# Allegro board 20250806_UNOQ.brd (continued)
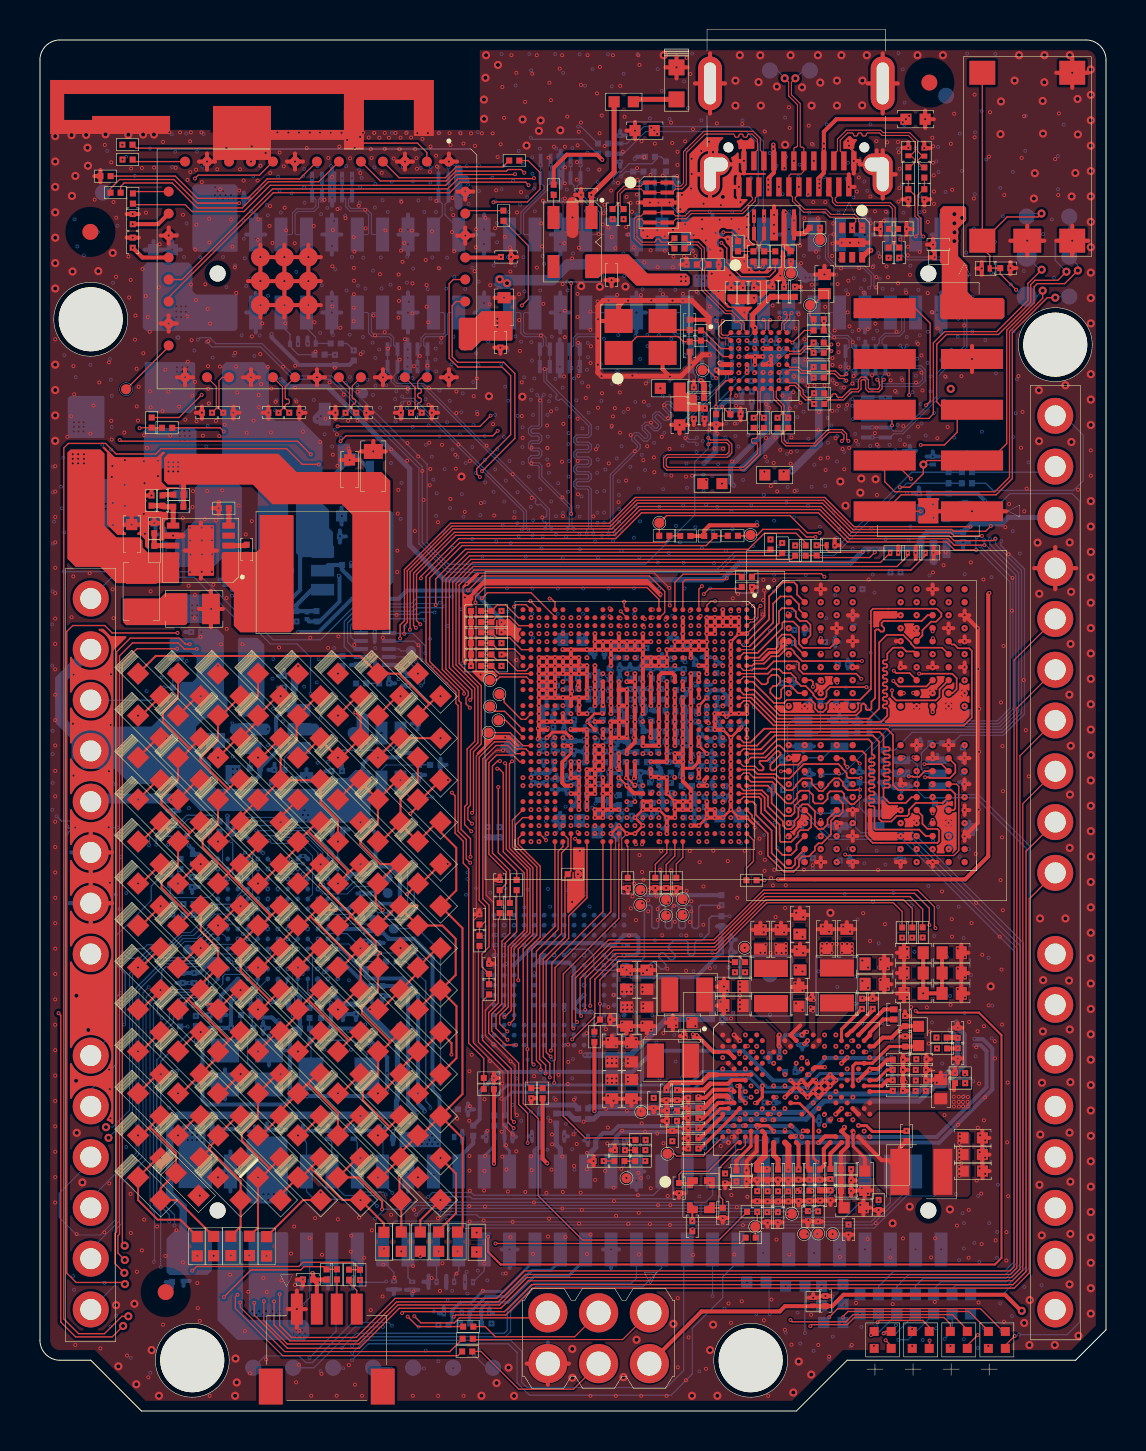
[diagram p0: board, top side]
## Nets (continued)
AUX_CTRL_1: R3001.1 R3003.1 U3001.G1
AUX_CTRL_2: R3002.1 R3004.1 U3001.H1
BAT_ID: PMIC1.N17 R605.1 TP601.1(TP)
BAT_THERM: PMIC1.U19 R606.1 TP602.1(TP)
BOOT_CAP: C609.1 PMIC1.U25
BOOT_CONFIG0: R1303.2 R1304.1 SOC1.AH9
BOOT_CONFIG1: R1305.2 R1306.1 SOC1.AJ7
BOOT_CONFIG2: R1307.2 R1308.1 SOC1.AH8
BOOT_CONFIG3: R1309.2 R1310.1 SOC1.AH6
CBLPWR_N: PMIC1.T10 R705.1
CC_OUT: PMIC1.C7 R902.1
CCI_I2C_SCL0: R2606.1 R2607.1 SOC1.AD5
CCI_I2C_SCL0_CONN: D26051.2 JMEDIA1.51 R2607.2
CCI_I2C_SCL1: R2610.1 R2611.1 SOC1.AB2
CCI_I2C_SCL1_CONN: D26049.2 JMEDIA1.24 R2611.2
CCI_I2C_SDA0: R2605.1 R2608.1 SOC1.AD4
CCI_I2C_SDA0_CONN: D26050.2 JMEDIA1.53 R2608.2
CCI_I2C_SDA1: R2609.1 R2612.1 SOC1.AC4
CCI_I2C_SDA1_CONN: D26048.2 JMEDIA1.22 R2612.2
CDC_CP_FLY_N: C501.2 PMIC1.A27 PMIC1.B26
CDC_CP_FLY_P: C501.1 PMIC1.A25
CDC_CP_VNEG: C502.1 F501.1 PMIC1.C27
CDC_PA_VNEG: C503.1 F501.2 PMIC1.F26 PMIC1.K24
CSI0_A0_CLK_M: JMEDIA1.33 SOC1.N2 U2610.4 U2610.7
CSI0_A1_LN1_P: JMEDIA1.29 SOC1.P2 U2610.2 U2610.9(OUT#9)
CSI0_A2_LN2_M: JMEDIA1.39 SOC1.R2 U2609.1 U2609.10
CSI0_B0_LN0_P: JMEDIA1.23 SOC1.N3 U2606.5 U2606.6
CSI0_B1_LN1_M: JMEDIA1.27 SOC1.P3 U2610.1 U2610.10
CSI0_B2_LN3_P: JMEDIA1.47 SOC1.R3 U2609.5 U2609.6
CSI0_C0_LN0_M: JMEDIA1.21 SOC1.N4 U2606.4 U2606.7
CSI0_C1_LN2_P: JMEDIA1.41 SOC1.R1 U2609.2 U2609.9(OUT#9)
CSI0_C2_LN3_M: JMEDIA1.45 SOC1.R4 U2609.4 U2609.7
CSI0_NC_CLK_P: JMEDIA1.35 SOC1.N1 U2610.5 U2610.6
CSI1_A0_CLK_M: JMEDIA1.42 SOC1.T2 U2607.1 U2607.6(OUT#6)
CSI1_A1_LN1_P: JMEDIA1.46 SOC1.U2 U2605.5 U2605.6
CSI1_A2_LN2_M: JMEDIA1.36 SOC1.V2 U2608.1 U2608.10
CSI1_B0_LN0_P: JMEDIA1.52 SOC1.T3 U2605.2 U2605.9(OUT#9)
CSI1_B1_LN1_M: JMEDIA1.48 SOC1.U3 U2605.4 U2605.7
CSI1_B2_LN3_P: JMEDIA1.28 SOC1.V3 U2608.5 U2608.6
CSI1_C0_LN0_M: JMEDIA1.54 SOC1.T4 U2605.1 U2605.10
CSI1_C1_LN2_P: JMEDIA1.34 SOC1.V1 U2608.2 U2608.9(OUT#9)
CSI1_C2_LN3_M: JMEDIA1.30 SOC1.V4 U2608.4 U2608.7
CSI1_NC_CLK_P: JMEDIA1.40 SOC1.T1 U2607.2 U2607.5
DC_IN: C2618.1 C2619.1 C2631.1 D2802.1 D26201.2 JANALOG1.8 JMEDIA1.57 JMEDIA1.59
DDR_RESET_N: DRAM1.T11 SOC1.D26
DRAM_ZQ0: DRAM1.A5 R2201.2
DRAM_ZQ1: DRAM1.A8 R2202.2
DSI0_REXT_PLL: R1522.1 SOC1.L30
DSI1_CLK_M_TP: SOC1.M27 TP1501.1(TP)
DSI1_CLK_P_TP: SOC1.M28 TP1502.1(TP)
EAR_M: PMIC1.E27 R2671.1
EAR_M_R: C2632.1 D26064.2 JMISC1.30 R2671.2
EAR_P: PMIC1.D26 R2670.1
EAR_P_R: C2633.1 D26063.2 JMISC1.28 R2670.2
EBI0_CA_0: DRAM1.H2 SOC1.D9
EBI0_CA_1: DRAM1.J2 SOC1.B10
EBI0_CA_2: DRAM1.H9 SOC1.A8
EBI0_CA_3: DRAM1.H10 SOC1.B8
EBI0_CA_4: DRAM1.H11 SOC1.B9
EBI0_CA_5: DRAM1.J11 SOC1.E7
EBI0_CAL: R1401.2 SOC1.F14
EBI0_CKE_0: DRAM1.J4 SOC1.E8
EBI0_CKE_1: DRAM1.J5 SOC1.E9
EBI0_CLK_M: DRAM1.J9 SOC1.E10
EBI0_CLK_P: DRAM1.J8 SOC1.D10
EBI0_CS_0: DRAM1.H4 SOC1.D7
EBI0_CS_1: DRAM1.H3 SOC1.D8
EBI0_DMI_0: DRAM1.C3 SOC1.D5
EBI0_DMI_1: DRAM1.C10 SOC1.A11
EBI0_DQ0: DRAM1.B2 SOC1.A5
EBI0_DQ1: DRAM1.C2 SOC1.B5
EBI0_DQ2: DRAM1.E2 SOC1.B6
EBI0_DQ3: DRAM1.F2 SOC1.A7
EBI0_DQ4: DRAM1.F4 SOC1.D4
EBI0_DQ5: DRAM1.E4 SOC1.B7
EBI0_DQ6: DRAM1.C4 SOC1.E5
EBI0_DQ7: DRAM1.B4 SOC1.C4
EBI0_DQ8: DRAM1.B11 SOC1.E13
EBI0_DQ9: DRAM1.C11 SOC1.D13
EBI0_DQ10: DRAM1.E11 SOC1.B13
EBI0_DQ11: DRAM1.F11 SOC1.B11
EBI0_DQ12: DRAM1.F9 SOC1.B12
EBI0_DQ13: DRAM1.E9 SOC1.A10
EBI0_DQ14: DRAM1.C9 SOC1.E11
EBI0_DQ15: DRAM1.B9 SOC1.D11
EBI0_DQS_0_M: DRAM1.E3 SOC1.D6
EBI0_DQS_0_P: DRAM1.D3 SOC1.E6
EBI0_DQS_1_M: DRAM1.E10 SOC1.E12
EBI0_DQS_1_P: DRAM1.D10 SOC1.D12
EBI1_CA_0: DRAM1.R2 SOC1.E21
EBI1_CA_1: DRAM1.P2 SOC1.B20
EBI1_CA_2: DRAM1.R9 SOC1.A22
EBI1_CA_3: DRAM1.R10 SOC1.B22
EBI1_CA_4: DRAM1.R11 SOC1.B21
EBI1_CA_5: DRAM1.P11 SOC1.D23
EBI1_CKE_0: DRAM1.P4 SOC1.D22
EBI1_CKE_1: DRAM1.P5 SOC1.D21
EBI1_CLK_M: DRAM1.P9 SOC1.D20
EBI1_CLK_P: DRAM1.P8 SOC1.E20
EBI1_CS_0: DRAM1.R4 SOC1.E23
EBI1_CS_1: DRAM1.R3 SOC1.E22
EBI1_DMI_0: DRAM1.Y3 SOC1.E25
EBI1_DMI_1: DRAM1.Y10 SOC1.A19
EBI1_DQ0: DRAM1.AA2 SOC1.A25
EBI1_DQ1: DRAM1.Y2 SOC1.B25
EBI1_DQ2: DRAM1.V2 SOC1.B24
EBI1_DQ3: DRAM1.U2 SOC1.A23
EBI1_DQ4: DRAM1.U4 SOC1.A26
EBI1_DQ5: DRAM1.V4 SOC1.B23
EBI1_DQ6: DRAM1.Y4 SOC1.D25
EBI1_DQ7: DRAM1.AA4 SOC1.B26
EBI1_DQ8: DRAM1.AA11 SOC1.D17
EBI1_DQ9: DRAM1.Y11 SOC1.E17
EBI1_DQ10: DRAM1.V11 SOC1.B17
EBI1_DQ11: DRAM1.U11 SOC1.B19
EBI1_DQ12: DRAM1.U9 SOC1.B18
EBI1_DQ13: DRAM1.V9 SOC1.A20
EBI1_DQ14: DRAM1.Y9 SOC1.D19
EBI1_DQ15: DRAM1.AA9 SOC1.E19
EBI1_DQS_0_M: DRAM1.V3 SOC1.E24
EBI1_DQS_0_P: DRAM1.W3 SOC1.D24
EBI1_DQS_1_M: DRAM1.V10 SOC1.D18
EBI1_DQS_1_P: DRAM1.W10 SOC1.E18
EMMC1_VDDI: C2101.1 C2102.1 EMMC1.C2
FAULT_N_TP: PMIC1.R11 TP704.1(TP)
FM_ANT: R2909.2 U2901.7
FORCED_USB_BOOT_N: D26005.2 JCTL1.2 R901.2 R1311.2 R1312.1 SOC1.AD27 TP2611.1(TP)
FORCED_USB_BOOT_POL_SEL: R1313.2 R1314.1 SOC1.AC27
HPH_L: C509.1 PMIC1.L27 R2634.2
HPH_L_CONN: D26089.2 JMISC1.36 R2634.1
HPH_R: C507.1 PMIC1.J27 R2635.2
HPH_R_CONN: D26090.2 JMISC1.38 R2635.1
HPH_REF: C508.1 PMIC1.K26 R2633.2
HPH_REF_CONN: JMISC1.40 R2633.1
HS_DET: JMISC1.42 PMIC1.C23
JTAG_PS_HOLD: R709.2 TP1213.1(TP)
LDO1_EN: R2801.2 SB2801.2 U2801.1
LDO1_FB: C2803.2 R2802.2 R2803.1 U2801.6
LDO1_LX: L2801.1 U2801.3
LDO1_PG: C2808.1 Q2802.1 R2808.2 R2810.1 U2801.5
LDO2_EN: R2804.2 U2802.1
LDO2_FB: C2807.2 R2805.2 R2806.1 U2802.6
LDO2_LX: L2802.1 U2802.3
LED_MATRIX_0: MCU1.E2 R2711.1
LED_MATRIX_0_R: D27001.1 D27002.2(CATHODE) D27003.1 D27004.2(CATHODE) D27007.1 D27008.2(CATHODE) D27013.1 D27014.2(CATHODE) D27021.1 D27022.2(CATHODE) D27031.1 D27032.2(CATHODE) D27043.1 D27044.2(CATHODE) D27057.1 D27058.2(CATHODE) D27073.1 D27074.2(CATHODE) D27091.1 D27092.2(CATHODE) R2711.2
LED_MATRIX_1: MCU1.F3 R2701.1
LED_MATRIX_1_R: D27001.2(CATHODE) D27002.1 D27005.1 D27006.2(CATHODE) D27009.1 D27010.2(CATHODE) D27015.1 D27016.2(CATHODE) D27023.1 D27024.2(CATHODE) D27033.1 D27034.2(CATHODE) D27045.1 D27046.2(CATHODE) D27059.1 D27060.2(CATHODE) D27075.1 D27076.2(CATHODE) D27093.1 D27094.2(CATHODE) R2701.2
LED_MATRIX_2: MCU1.F4 R2702.1
LED_MATRIX_2_R: D27003.2(CATHODE) D27004.1 D27005.2(CATHODE) D27006.1 D27011.1 D27012.2(CATHODE) D27017.1 D27018.2(CATHODE) D27025.1 D27026.2(CATHODE) D27035.1 D27036.2(CATHODE) D27047.1 D27048.2(CATHODE) D27061.1 D27062.2(CATHODE) D27077.1 D27078.2(CATHODE) D27095.1 D27096.2(CATHODE) R2702.2
LED_MATRIX_3: MCU1.G5 R2703.1
LED_MATRIX_3_R: D27007.2(CATHODE) D27008.1 D27009.2(CATHODE) D27010.1 D27011.2(CATHODE) D27012.1 D27019.1 D27020.2(CATHODE) D27027.1 D27028.2(CATHODE) D27037.1 D27038.2(CATHODE) D27049.1 D27050.2(CATHODE) D27063.1 D27064.2(CATHODE) D27079.1 D27080.2(CATHODE) D27097.1 D27098.2(CATHODE) R2703.2
LED_MATRIX_4: MCU1.G6 R2704.1
LED_MATRIX_4_R: D27013.2(CATHODE) D27014.1 D27015.2(CATHODE) D27016.1 D27017.2(CATHODE) D27018.1 D27019.2(CATHODE) D27020.1 D27029.1 D27030.2(CATHODE) D27039.1 D27040.2(CATHODE) D27051.1 D27052.2(CATHODE) D27065.1 D27066.2(CATHODE) D27081.1 D27082.2(CATHODE) D27099.1 D27100.2(CATHODE) R2704.2
LED_MATRIX_5: MCU1.G4 R2705.1
LED_MATRIX_5_R: D27021.2(CATHODE) D27022.1 D27023.2(CATHODE) D27024.1 D27025.2(CATHODE) D27026.1 D27027.2(CATHODE) D27028.1 D27029.2(CATHODE) D27030.1 D27041.1 D27042.2(CATHODE) D27053.1 D27054.2(CATHODE) D27067.1 D27068.2(CATHODE) D27083.1 D27084.2(CATHODE) D27101.1 D27102.2(CATHODE) R2705.2
LED_MATRIX_6: MCU1.H6 R2706.1
LED_MATRIX_6_R: D27031.2(CATHODE) D27032.1 D27033.2(CATHODE) D27034.1 D27035.2(CATHODE) D27036.1 D27037.2(CATHODE) D27038.1 D27039.2(CATHODE) D27040.1 D27041.2(CATHODE) D27042.1 D27055.1 D27056.2(CATHODE) D27069.1 D27070.2(CATHODE) D27085.1 D27086.2(CATHODE) D27103.1 D27104.2(CATHODE) R2706.2
LED_MATRIX_7: MCU1.G2 R2707.1
LED_MATRIX_7_R: D27043.2(CATHODE) D27044.1 D27045.2(CATHODE) D27046.1 D27047.2(CATHODE) D27048.1 D27049.2(CATHODE) D27050.1 D27051.2(CATHODE) D27052.1 D27053.2(CATHODE) D27054.1 D27055.2(CATHODE) D27056.1 D27071.1 D27072.2(CATHODE) D27087.1 D27088.2(CATHODE) R2707.2
LED_MATRIX_8: MCU1.F1 R2708.1
LED_MATRIX_8_R: D27057.2(CATHODE) D27058.1 D27059.2(CATHODE) D27060.1 D27061.2(CATHODE) D27062.1 D27063.2(CATHODE) D27064.1 D27065.2(CATHODE) D27066.1 D27067.2(CATHODE) D27068.1 D27069.2(CATHODE) D27070.1 D27071.2(CATHODE) D27072.1 D27089.1 D27090.2(CATHODE) R2708.2
LED_MATRIX_9: MCU1.G3 R2709.1
LED_MATRIX_9_R: D27073.2(CATHODE) D27074.1 D27075.2(CATHODE) D27076.1 D27077.2(CATHODE) D27078.1 D27079.2(CATHODE) D27080.1 D27081.2(CATHODE) D27082.1 D27083.2(CATHODE) D27084.1 D27085.2(CATHODE) D27086.1 D27087.2(CATHODE) D27088.1 D27089.2(CATHODE) D27090.1 R2709.2
LED_MATRIX_10: MCU1.H4 R2710.1
LED_MATRIX_10_R: D27091.2(CATHODE) D27092.1 D27093.2(CATHODE) D27094.1 D27095.2(CATHODE) D27096.1 D27097.2(CATHODE) D27098.1 D27099.2(CATHODE) D27100.1 D27101.2(CATHODE) D27102.1 D27103.2(CATHODE) D27104.1 R2710.2
LED_MATRIX_11: MCU1.M5 TP2506.1(TP)
LED_PWR: D27201.1 R2735.2
LINEOUT_M: C514.1 R2632.2
LINEOUT_M_C: C514.2 PMIC1.D24
LINEOUT_M_CONN: D26088.2 JMISC1.34 R2632.1
LINEOUT_P: C513.1 R2631.2
LINEOUT_P_C: C513.2 PMIC1.C25
LINEOUT_P_CONN: D26087.2 JMISC1.32 R2631.1
LNBBCLK1: PMIC1.R5 R702.2
LNBBCLK2: PMIC1.U3 R703.2
LNBBCLK2_R: C720.1 R703.1
MCU_BOOT0: JANALOG1.1 MCU1.C5 R2621.1 TP2603.1(TP) U1101.10
MCU_BOOT0_1P8V: SOC1.AH1 U1101.2
MCU_BT_UART_CTS_R: R2906.2 U2901.14
MCU_BT_UART_RTS_R: R2904.2 U2901.11
MCU_BT_UART_RX_R: R2901.2 U2901.4
MCU_BT_UART_TX_R: R2908.2 U2901.41
MCU_CRS_SYNC_PA10: JMISC1.25 MCU1.F11
MCU_I2C2_SCL: MCU1.K9 R2643.2 R2644.1
MCU_I2C2_SCL_CONN: JDIGITAL1.18 R2644.2
MCU_I2C2_SDA: MCU1.L9 R2642.2 R2645.1
MCU_I2C2_SDA_CONN: JDIGITAL1.17 R2645.2
MCU_I2C4_SCL_PD12: MCU1.K10 R2614.2 R2615.1
MCU_I2C4_SCL_PD12_CONN: QWIIC1.4 R2615.2
MCU_I2C4_SCL_PF14: MCU1.L6 R2667.2 R2668.1
MCU_I2C4_SCL_PF14_CONN: JMISC1.16 R2668.2
MCU_I2C4_SDA_PD13: MCU1.K12 R2613.2 R2616.1
MCU_I2C4_SDA_PD13_CONN: QWIIC1.3 R2616.2
MCU_I2C4_SDA_PF15: MCU1.N6 R2666.2 R2669.1
MCU_I2C4_SDA_PF15_CONN: JMISC1.18 R2669.2
MCU_JTAG_NJTRST_PB4: JDIGITAL1.9 MCU1.B6 TP2504.1(TP)
MCU_JTAG_SWCLK: MCU1.C10 TP2503.1(TP) U1101.8
MCU_JTAG_SWCLK_1P8V: SOC1.AC3 U1101.4
MCU_JTAG_SWDIO: MCU1.F12 TP2502.1(TP) U1101.9
MCU_JTAG_SWDIO_1P8V: SOC1.AC2 U1101.3
MCU_JTAG_SWO_PB3: JDIGITAL1.3 MCU1.D6
MCU_JTAG_TDI: MCU1.A10 TP2501.1(TP)
MCU_LED1_BLU: MCU1.B13 R2731.2
MCU_LED1_BLU_D: D27401.3(CATHODE#4) R2731.1
MCU_LED1_GRN: MCU1.D9 R2730.2
MCU_LED1_GRN_D: D27401.4 R2730.1
MCU_LED1_RED: MCU1.C13 R2729.2
MCU_LED1_RED_D: D27401.2 R2729.1
MCU_LED2_BLU: MCU1.A13 R2734.2
MCU_LED2_BLU_D: D27402.3(CATHODE#4) R2734.1
MCU_LED2_GRN: MCU1.C11 R2733.2
MCU_LED2_GRN_D: D27402.4 R2733.1
MCU_LED2_RED: MCU1.C12 R2732.2
MCU_LED2_RED_D: D27402.2 R2732.1
MCU_MCO_PA8: JMISC1.23 MCU1.G7
MCU_NRST: JANALOG1.3 JSPI1.5 MCU1.H3 R2622.2 TP2602.1(TP) U1101.7
MCU_NRST_1P8V: SOC1.AH2 U1101.5
MCU_OPAMP1_ VINM_PA1: JMISC1.24 MCU1.L3
MCU_OPAMP1_ VINP_PA0: JMISC1.22 MCU1.K3
MCU_OPAMP1_VOUT_PA3: JMISC1.20 MCU1.N2
MCU_OSC32_IN_PC14: MCU1.D1 R2514.2
MCU_OSC32_OUT_PC15: MCU1.E1 R2513.1
MCU_OSC_IN_PH0_R: MCU1.H1 R2509.1
MCU_OSC_OUT_PH1_R: MCU1.J1 R2511.1
MCU_PA4: JANALOG1.9 MCU1.N1
MCU_PA5: JANALOG1.10 MCU1.K4
MCU_PA6: JANALOG1.11 MCU1.N4
MCU_PA7: JANALOG1.12 MCU1.J5
MCU_PA11: JDIGITAL1.6 MCU1.G13
MCU_PA12: JDIGITAL1.5 MCU1.F13
MCU_PB0: JDIGITAL1.4 MCU1.K5
MCU_PB1: JDIGITAL1.7 MCU1.N5
MCU_PB2: JDIGITAL1.8 MCU1.L5
MCU_PB8: JDIGITAL1.10 MCU1.E5
MCU_PC0: JANALOG1.14 MCU1.J2
MCU_PC1: JANALOG1.13 MCU1.J3
MCU_PE7: JMISC1.12 MCU1.L7
MCU_PE8: JMISC1.14 MCU1.K7
MCU_PSSI_D0: JMISC1.1 MCU1.H13
MCU_PSSI_D1: JMISC1.3 MCU1.G12
MCU_PSSI_D2: JMISC1.5 MCU1.G10
MCU_PSSI_D3: JMISC1.7 MCU1.G9
MCU_PSSI_D4: JMISC1.9 MCU1.C2
MCU_PSSI_D5: JMISC1.11 MCU1.B10
MCU_PSSI_D6: JMISC1.13 MCU1.A2
MCU_PSSI_D7: JMISC1.15 MCU1.C3
MCU_PSSI_DE: JMISC1.21 MCU1.L12
MCU_PSSI_PDCK: JMISC1.17 MCU1.L13
MCU_PSSI_RDY: JMISC1.19 MCU1.B3
MCU_SDMMC1_CMD_PD2: JMISC1.2 MCU1.F7
MCU_SOC_LPUART1_CTS: MCU1.J9 R2501.1
MCU_SOC_LPUART1_RTS: MCU1.H10 R2502.1
MCU_SOC_LPUART1_RX: MCU1.H9 R2504.1
MCU_SOC_LPUART1_TX: MCU1.G8 R2503.1
MCU_SPI2_CLK: MCU1.N13 R2641.1
MCU_SPI2_CLK_CONN: JDIGITAL1.14 R2641.2
MCU_SPI2_CLK_PD1: MCU1.F6 R2617.1
MCU_SPI2_CLK_PD1_CONN: JSPI1.3 R2617.2
MCU_SPI2_MISO: MCU1.M12 R2640.1
MCU_SPI2_MISO_CONN: JDIGITAL1.13 R2640.2
MCU_SPI2_MISO_PC2: MCU1.J4 R2618.1
MCU_SPI2_MISO_PC2_CONN: JSPI1.1 R2618.2
MCU_SPI2_MOSI: MCU1.L11 R2626.1
MCU_SPI2_MOSI_CONN: JDIGITAL1.12 R2626.2
MCU_SPI2_MOSI_PC3: MCU1.K1 R2619.1
MCU_SPI2_MOSI_PC3_CONN: JSPI1.4 R2619.2
MCU_SPI2_NSS: MCU1.D5 R2625.1
MCU_SPI2_NSS_CONN: JDIGITAL1.11 R2625.2
MCU_SPI3_CLK: R2505.2 SOC1.AA29
MCU_SPI3_CLK_R: MCU1.A7 R2505.1
MCU_SPI3_CS_N: R2508.2 SOC1.AA30
MCU_SPI3_CS_N_R: MCU1.E6 R2508.1
MCU_SPI3_MISO: R2506.2 SOC1.W30
MCU_SPI3_MISO_R: MCU1.C7 R2506.1
MCU_SPI3_MOSI_1P8V: SOC1.Y29 U1102.3
MCU_SPI3_MOSI_3P3V: R2507.1 U1102.4
MCU_SPI3_MOSI_R: MCU1.C6 R2507.2
MCU_SPI3_RDY: R2516.2 SOC1.W29
MCU_SPI3_RDY_R: MCU1.N10 R2516.1
MCU_TRACE_CLK: JMISC1.4 MCU1.A1
MCU_TRACE_D0: JMISC1.6 MCU1.D3
MCU_TRACE_D2: JMISC1.8 MCU1.D2
MCU_TRACE_D3: JMISC1.10 MCU1.E4
MCU_USART1_RX: MCU1.F5 R2624.1
MCU_USART1_RX_CONN: JDIGITAL1.1 R2624.2
MCU_USART1_TX: MCU1.B5 R2623.1
MCU_USART1_TX_CONN: JDIGITAL1.2 R2623.2
MCU_VCAP: C2501.1 C2525.1 MCU1.A4 MCU1.N11
MCU_VREF+: C2520.1 C2521.1 C2614.1 JDIGITAL1.16 MCU1.L1 U2501.3
MCU_VREF_EN: MCU1.M2 R2515.1 U2501.6
MIC2_BIAS: C512.1 PMIC1.G23 R2646.2
MIC2_BIAS_CONN: D26067.2 JMISC1.33 R2646.1
MIC2_INN: C510.1 PMIC1.L21 R2637.2
MIC2_INN_CONN: D26066.2 JMISC1.31 R2637.1
MIC2_INP: C511.1 PMIC1.M20 R2636.2
MIC2_INP_CONN: D26065.2 JMISC1.29 R2636.1
MIPI_DSI0_CLK_M: R1501.1 SOC1.P27 U3001.H8
MIPI_DSI0_CLK_M_CONN: JMEDIA1.3 R1501.2 U2612.1 U2612.10
MIPI_DSI0_CLK_P: R1502.1 SOC1.R28 U3001.G8
MIPI_DSI0_CLK_P_CONN: JMEDIA1.5 R1502.2 U2612.2 U2612.9(OUT#9)
MIPI_DSI0_L0_M: R1503.1 SOC1.P30 U3001.F8
MIPI_DSI0_L0_M_CONN: JMEDIA1.12 R1503.2 U2611.1 U2611.10
MIPI_DSI0_L0_P: R1504.1 SOC1.R30 U3001.E8
MIPI_DSI0_L0_P_CONN: JMEDIA1.10 R1504.2 U2611.2 U2611.9(OUT#9)
MIPI_DSI0_L1_M: R1505.1 SOC1.M30 U3001.H6
MIPI_DSI0_L1_M_CONN: JMEDIA1.6 R1505.2 U2611.4 U2611.7
MIPI_DSI0_L1_P: R1506.1 SOC1.M29 U3001.H7
MIPI_DSI0_L1_P_CONN: JMEDIA1.4 R1506.2 U2611.5 U2611.6
MIPI_DSI0_L2_M: R1507.1 SOC1.N29 U3001.D8
MIPI_DSI0_L2_M_CONN: JMEDIA1.9 R1507.2 U2612.4 U2612.7
MIPI_DSI0_L2_P: R1508.1 SOC1.P29 U3001.C8
MIPI_DSI0_L2_P_CONN: JMEDIA1.11 R1508.2 U2612.5 U2612.6
MIPI_DSI0_L3_M: R1509.1 SOC1.N28 U3001.H4
MIPI_DSI0_L3_M_CONN: JMEDIA1.15 R1509.2 U2606.1 U2606.10
MIPI_DSI0_L3_P: R1510.1 SOC1.N27 U3001.H5
MIPI_DSI0_L3_P_CONN: JMEDIA1.17 R1510.2 U2606.2 U2606.9(OUT#9)
MUX_ALERT: R3025.2 SOC1.AG29 U3001.B8
MUX_CABLE_DET: SOC1.AG1 TP3007.1(TP) U3001.C3
MUX_DP_HPD: R3028.2 SOC1.K1
MUX_DP_HPD_R: R3028.1 U3001.E7
MUX_I2C_SCL_R: R3014.2 TP3002.1(TP) U3001.D7
MUX_I2C_SDA_R: R3015.2 TP3003.1(TP) U3001.C7
MUX_LDO_EN: R3024.2 U3004.3
MUX_POWER_EN: C3028.1 R3022.2 SOC1.AE1 TP3001.1(TP) U3001.D2
MUX_RESET_N: C3027.1 R3023.2 SOC1.AF5 TP3006.1(TP) U3001.B7
MUX_SBU1: C3019.2 JUSB1.A8 R3003.2 U2602.1 U2602.10
MUX_SBU2: C3020.2 JUSB1.B8 R3004.2 U2602.2 U2602.9(OUT#9)
MUX_SSRXN1: C2629.2 R2665.1 U3001.B3
MUX_SSRXN1_C: C2629.1 D26102.2 JUSB1.B10
MUX_SSRXN2: C2627.1 R2660.1 U3001.A3
MUX_SSRXN2_C: C2627.2 JUSB1.A10 U2601.5 U2601.6
MUX_SSRXP1: C2630.2 R2664.1 U3001.B4
MUX_SSRXP1_C: C2630.1 D26103.2 JUSB1.B11
MUX_SSRXP2: C2628.1 R2661.1 U3001.A2
MUX_SSRXP2_C: C2628.2 JUSB1.A11 U2601.4 U2601.7
MUX_SSTXN1: C2602.2 U3001.A5
MUX_SSTXN1_C: C2602.1 D26105.2 JUSB1.A3
MUX_SSTXN2: C2603.2 U3001.B6
MUX_SSTXN2_C: C2603.1 JUSB1.B3 U2601.1 U2601.10
MUX_SSTXP1: C2601.2 U3001.A6
MUX_SSTXP1_C: C2601.1 D26104.2 JUSB1.A2
MUX_SSTXP2: C2604.2 U3001.B5
MUX_SSTXP2_C: C2604.1 JUSB1.B2 U2601.2 U2601.9(OUT#9)
MUX_XTAL_IN: C3021.1 R3007.2 U3001.D1 Y3001.1
MUX_XTAL_OUT: C3022.1 R3007.1 U3001.C1(XTAL_OUT) Y3001.3
OSC_16M_IN: C2522.1 R2509.2 Y2501.1
OSC_16M_OUT: C2523.1 R2511.2 Y2501.3
OSC_32K_IN: C2528.1 R2512.2 R2514.1 Y2502.2
OSC_32K_OUT: C2527.1 R2512.1 R2513.2 Y2502.1
PACK_VSNS_M: PMIC1.T24 R604.1
PHONE_ON_N: C2605.1 D26009.2 JBTN1.1 JBTN1.2 PMIC1.P12 TP2614.1(TP)
PM_AVDD_BYP: C714.1 PMIC1.K6
PM_DVDD_BYP: C715.1 PMIC1.L7
PM_REF_BYP: C716.1 PMIC1.M6
PM_RESIN_N: D26008.2 JCTL1.8 PMIC1.N9 R708.2
PM_XTAL_IN: C702.1 PMIC1.W5 Y701.3(XT2)
PM_XTAL_OUT: C701.1 PMIC1.Y4 Y701.1
PMIC_FORCED_USB_BOOT: PMIC1.A5 R901.1
PMIC_PWM_TP: PMIC1.D8 TP1301.1(TP)
PON_OPTION: PMIC1.R9 R707.1
PS_HOLD: R706.2 SOC1.AH27
PS_HOLD_R: PMIC1.P10 R706.1 R709.1 TP706.1(TP)
PWR_3P3V: C1102.1 C1104.1 C2502.1 C2503.1 C2504.1 C2505.1 C2506.1 C2507.1 C2508.1 C2509.1 C2510.1 C2511.1 C2512.1 C2513.1 C2517.1 C2518.1 C2519.1 C2529.1 C2610.1 C2615.1 C2616.1 C2620.1 C2807.1 C2809.1 C3025.1 D27301.1 D27302.1 D27401.1 D27402.1 JANALOG1.2 JANALOG1.4 JMEDIA1.58 JMEDIA1.60 JMISC1.53 JMISC1.55 L2802.2 MCU1.A3 MCU1.A8 MCU1.A11 MCU1.B1 MCU1.D13 MCU1.E13 MCU1.G1 MCU1.J13 MCU1.L2 MCU1.N3 MCU1.N7 MCU1.N12 QWIIC1.2 R2613.1 R2614.1 R2622.1 R2642.1 R2643.1 R2666.1 R2667.1 R2735.1 R2805.1 R2817.2 U1101.11(VCCB) U1102.6(VCCB) U2501.4 U2501.5(VCC) U3004.1
PWR_3P8V: C2803.1 C2804.1 C2805.1 C2806.1 L2801.2 R2802.1 R2804.1 R2807.1 R2808.1 R2817.1 U2802.4(VIN)
QCA_SB_CLK: R2902.1 SOC1.AG19
QCA_SB_CLK_R: R2902.2 U2901.6
QCA_SB_DATA: SOC1.AG18 U2901.10
QREFS_CXO_REXT: R1601.1 SOC1.T30
QUIET_THERM: PMIC1.T20 RT701.1
RESOUT_N: EMMC1.K5 SOC1.AJ26
RFCLK1_TP: PMIC1.W1 TP701.1(TP)
RFCLK2: PMIC1.V2 R701.2
RFCLK3_TP: PMIC1.T4 TP702.1(TP)
RTC_SLEEP_CLK: PMIC1.F10 R1204.1 R2903.1
RTC_SLEEP_CLK_R: R2903.2 U2901.9
SBU1_AUXP: C3019.1 U3001.B2
SBU2_AUXN: C3020.1 U3001.C2
SD_CARD_DET_N_TP: SOC1.AH10 TP1315.1(TP)
SDC1_CLK: EMMC1.M6 R1207.2
SDC1_CLK_TR: R1207.1 SOC1.A29
SDC1_CMD: EMMC1.M5 R2114.2 SOC1.C27
SDC1_DATA_0: EMMC1.A3 SOC1.B28
SDC1_DATA_1: EMMC1.A4 SOC1.B29
SDC1_DATA_2: EMMC1.A5 SOC1.B30
SDC1_DATA_3: EMMC1.B2 SOC1.C28
SDC1_DATA_4: EMMC1.B3 SOC1.C29
SDC1_DATA_5: EMMC1.B4 SOC1.C30
SDC1_DATA_6: EMMC1.B5 SOC1.D28
SDC1_DATA_7: EMMC1.B6 SOC1.D29
SDC1_RCLK: EMMC1.H5 R2113.1 SOC1.A28
SLEEP_CLK: R1204.2 SOC1.AH26
SM_LNBBCLK1: R702.1 SOC1.U29
SM_RESIN_N: PMIC1.M14 R1201.1 TP705.1(TP)
SM_RESIN_N_R: C1201.1 R1201.2 SOC1.AJ20
SM_THERM: PMIC1.P18 RT1901.1
SOC_BID0: R1315.2 R1316.1 SOC1.AH3
SOC_BID1: R1317.2 R1318.1 SOC1.AJ2
SOC_BT_UART_CTS: R2906.1 SOC1.E1
SOC_BT_UART_RTS: R2904.1 SOC1.F1
SOC_BT_UART_RX: R2901.1 SOC1.H1
SOC_BT_UART_TX: R2908.1 SOC1.G1
SOC_CAM_MCLK0: R2638.1 SOC1.L2
SOC_CAM_MCLK0_R: D26046.2 JMEDIA1.16 R2638.2
SOC_CAM_MCLK1: R2639.1 SOC1.M2
SOC_CAM_MCLK1_R: D26047.2 JMEDIA1.18 R2639.2
SOC_GPIO18: D26075.2 JMISC1.49 SOC1.M1
SOC_GPIO28: D26076.2 JMISC1.51 SOC1.M4
SOC_GPIO_0_SE0: D26069.2 JMISC1.37 SOC1.T27
SOC_GPIO_1_SE0: D26070.2 JMISC1.39 SOC1.T28
SOC_GPIO_2_SE0: D26071.2 JMISC1.41 SOC1.U27
SOC_GPIO_3_SE0: D26072.2 JMISC1.43 SOC1.V27
SOC_GPIO_82_SE0: D26074.2 JMISC1.47 SOC1.V28
SOC_GPIO_86_SE0: D26073.2 JMISC1.45 SOC1.V30
SOC_GPIO_98: D26091.2 JMISC1.46 SOC1.AG23
SOC_GPIO_99: D26092.2 JMISC1.48 SOC1.AH23
SOC_GPIO_100: D26093.2 JMISC1.50 SOC1.AJ23
SOC_GPIO_101: D26094.2 JMISC1.52 SOC1.AE22
SOC_I2S_D0: R3018.1 SOC1.AJ22
SOC_I2S_D0_R: R3018.2 U3001.F6
SOC_I2S_SCK: R3016.1 SOC1.AF22
SOC_I2S_SCK_R: R3016.2 U3001.F7
SOC_I2S_WS: R3017.1 SOC1.AH22
SOC_I2S_WS_R: R3017.2 U3001.G7
SOC_LED1_BLU: R2714.1 SOC1.AE2
SOC_LED1_BLU_B: C2703.1 Q2708.2 R2714.2
SOC_LED1_BLU_C: Q2708.6 R2725.2
SOC_LED1_BLU_D: D27301.3(CATHODE#4) R2725.1
SOC_LED1_GRN: R2713.1 SOC1.AF3
SOC_LED1_GRN_B: C2702.1 Q2707.5 R2713.2
SOC_LED1_GRN_C: Q2707.3 R2724.2
SOC_LED1_GRN_D: D27301.4 R2724.1
SOC_LED1_RED: R2712.1 SOC1.AG2
SOC_LED1_RED_B: C2701.1 Q2707.2 R2712.2
SOC_LED1_RED_C: Q2707.6 R2723.2
SOC_LED1_RED_D: D27301.2 R2723.1
SOC_LED2_BLU: R2717.1 SOC1.AH4
SOC_LED2_BLU_B: C2706.1 Q2709.5 R2717.2
SOC_LED2_BLU_C: Q2709.3 R2728.2
SOC_LED2_BLU_D: D27302.3(CATHODE#4) R2728.1
SOC_LED2_GRN: R2716.1 SOC1.AG4
SOC_LED2_GRN_B: C2705.1 Q2709.2 R2716.2
SOC_LED2_GRN_C: Q2709.6 R2727.2
SOC_LED2_GRN_D: D27302.4 R2727.1
SOC_LED2_RED: R2715.1 SOC1.AF4
SOC_LED2_RED_B: C2704.1 Q2708.5 R2715.2
SOC_LED2_RED_C: Q2708.3 R2726.2
SOC_LED2_RED_D: D27302.2 R2726.1
SOC_MCU_LPUART1_CTS: R2502.2 SOC1.Y28
SOC_MCU_LPUART1_RTS: R2501.2 SOC1.AA28
SOC_MCU_LPUART1_RX: R2503.2 SOC1.AB28
SOC_MCU_LPUART1_TX: R2504.2 SOC1.AA27
SOC_UART_RX_SE4: D26007.2 JCTL1.6 SOC1.AG30 TP2616.1(TP)
SOC_UART_TX_SE4: D26006.2 JCTL1.4 SOC1.AF29 TP2615.1(TP)
SPMI_CLK: PMIC1.K10 R1205.1
SPMI_CLK_R: C1202.1 R1205.2 SOC1.AH19
SPMI_DATA: PMIC1.K12 R1206.1
SPMI_DATA_R: C1203.1 R1206.2 SOC1.AJ19
SWR_RX_CLK: R502.2 SOC1.AF19
SWR_RX_CLK_R: PMIC1.A21 R502.1
SWR_RX_DATA0: R503.2 SOC1.AE19
SWR_RX_DATA0_R: PMIC1.C21 R503.1
SWR_RX_DATA1: R501.2 SOC1.AF18
SWR_RX_DATA1_R: PMIC1.E19 R501.1
SWR_TX_CLK: PMIC1.D22 R1301.2
SWR_TX_CLK_R: R1301.1 SOC1.AF20
SWR_TX_DATA0: PMIC1.E21 R1302.2
SWR_TX_DATA0_R: R1302.1 SOC1.AE20
TP_GPIO_72: SOC1.AH18 TP1311.1(TP)
TP_GPIO_74: SOC1.AJ17 TP1313.1(TP)
TP_GPIO_75: SOC1.AJ16 TP1314.1(TP)
TP_GPIO_79: SOC1.AH14 TP1310.1(TP)
TP_JTAG_SRST_N: SOC1.AD28 TP1207.1(TP)
TP_JTAG_TCK: SOC1.AD30 TP1208.1(TP)
TP_JTAG_TDI: SOC1.AE30 TP1209.1(TP)
TP_JTAG_TDO: SOC1.AD29 TP1210.1(TP)
TP_JTAG_TMS: SOC1.AE29 TP1211.1(TP)
TP_JTAG_TRST_N: R1208.1 SOC1.AC29 TP1212.1(TP)
TP_USB0_SS_RX1_M: SOC1.G29 TP1203.1(TP)
TP_USB0_SS_RX1_P: SOC1.H29 TP1204.1(TP)
TP_USB0_SS_TX1_M: SOC1.J28 TP1205.1(TP)
TP_USB0_SS_TX1_P: SOC1.J27 TP1206.1(TP)
USB0_HS_DM: JUSB1.A7 JUSB1.B7 SOC1.K29 TP2613.1(TP) U2604.2
USB0_HS_DP: JUSB1.A6 JUSB1.B6 SOC1.K28 TP2612.1(TP) U2604.1
USB0_HS_REXT: R1203.1 SOC1.K30
USB0_SS_REXT: R1202.1 SOC1.J30
USB0_SS_RX0_M: SOC1.F30 U3001.B1
USB0_SS_RX0_P: SOC1.G30 U3001.A1
USB0_SS_TX0_M: SOC1.H27 U3001.A7
USB0_SS_TX0_P: SOC1.G27 U3001.A8
USB_CC1: JUSB1.A5 R3005.2 U2602.4 U2602.7
USB_CC1_R_MUX: R3005.1 TP3004.1(TP) U3001.E1
USB_CC2: JUSB1.B5 R3006.2 U2602.5 U2602.6
USB_CC2_R_MUX: R3006.1 TP3005.1(TP) U3001.F1
USB_I2C_SCL: R3014.1 R3027.2 SOC1.AB29
USB_I2C_SDA: R3015.1 R3026.2 SOC1.AB30
USB_IN_MID: C608.1 C902.1 PMIC1.H12 PMIC1.V24
USB_PHY_PS: R902.2 R1319.2 R1320.1 SOC1.AJ29
USB_VBUS_IN: C601.1 C602.1 C603.1 PMIC1.V22 PMIC1.W23 Q2801.3 R601.1 R607.1 R3013.1
VCOIN: C708.1 C709.1 C710.1 C711.1 C712.1 C713.1 C2524.1 C2526.1 C2625.1 D26100.2 JMISC1.59 MCU1.C1 PMIC1.H16
VCONN_IN: C3016.1 C3017.1 C3018.1 R3013.2 R3019.1 U3001.F2
VFB_NEG_S3: PMIC1.D6
VFB_NEG_S4: PMIC1.E5
VFB_S3: PMIC1.C5
VFB_S4: PMIC1.D4
VOLUME_DOWN_N: D26001.2 JCTL1.3 R708.1 R1321.2 TP2618.1(TP)
VOLUME_DOWN_R: R1321.1 SOC1.AD2
VOLUME_UP_N: D26002.2 JCTL1.5 SOC1.AH30 TP2617.1(TP)
VPH_PWR: C604.1 C605.1 C606.1 C901.1 C1001.1 C1002.1 C1003.1 C1004.1 L601.2 PMIC1.A13 PMIC1.A17 PMIC1.B14 PMIC1.C1 PMIC1.C3 PMIC1.D2 PMIC1.E3 PMIC1.G17 PMIC1.K8 PMIC1.N7 PMIC1.P24 PMIC1.R25 PMIC1.W15 PMIC1.W21 PMIC1.Y18
VREF_LPDDR3: C717.1 PMIC1.M10
VREF_MSM_1P25V: C718.1 C1702.1 C1703.1 C1843.1 PMIC1.N13 SOC1.AD17 SOC1.AD19
VREF_TXDAC_1P25V: C719.1 C1704.1 PMIC1.T8 SOC1.AC14
VREG_L1A_0P848V: C806.1 C807.1 C1727.1 C1728.1 C1729.1 C1730.1 C1731.1 C1732.1 C1733.1 C1734.1 C1735.1 C1736.1 C1737.1 C1738.1 C1739.1 C1740.1 C1741.1 C1742.1 C1743.1 C1849.1 C1850.1 C1901.1 C1902.1 C1903.1 C1910.1 C1914.1 PMIC1.D10 SOC1.AB20 SOC1.AB21 SOC1.H9 SOC1.H11 SOC1.H13 SOC1.H15 SOC1.H18 SOC1.H20 SOC1.H22 SOC1.L10 SOC1.L11 SOC1.L12 SOC1.L13 SOC1.L14 SOC1.L15 SOC1.L16 SOC1.L17 SOC1.L18 SOC1.L19 SOC1.L20 SOC1.N20 SOC1.P24 SOC1.R19 SOC1.T23 SOC1.U22 SOC1.V9 SOC1.V10 SOC1.V11 SOC1.V12 SOC1.V13 SOC1.V14 SOC1.Y15
VREG_L2A_1P128V: C808.1 C809.1 C1830.1 C1831.1 C2209.1 C2210.1 C2211.1 C2212.1 C2213.1 C2214.1 C2216.1 DRAM1.A4 DRAM1.A9 DRAM1.AB4 DRAM1.AB9 DRAM1.F5 DRAM1.F8 DRAM1.G2 DRAM1.H1 DRAM1.H5 DRAM1.H8 DRAM1.H12 DRAM1.K1 DRAM1.K3 DRAM1.K10 DRAM1.K12 DRAM1.N1 DRAM1.N3 DRAM1.N10 DRAM1.N12 DRAM1.R1 DRAM1.R5 DRAM1.R8 DRAM1.R12 DRAM1.T2 DRAM1.U5 DRAM1.U8 PMIC1.B16 SOC1.F10 SOC1.F13 SOC1.F18 SOC1.F21 SOC1.F24
VREG_L3A_0P6V: C810.1 C811.1 C1925.1 C1936.1 C1937.1 C1938.1 C2201.1 C2202.1 C2203.1 C2204.1 C2205.1 C2206.1 C2207.1 C2208.1 C2215.1 DRAM1.AA3 DRAM1.AA5 DRAM1.AA8 DRAM1.AA10 DRAM1.B3 DRAM1.B5 DRAM1.B8 DRAM1.B10 DRAM1.D1 DRAM1.D5 DRAM1.D8 DRAM1.D12 DRAM1.F3 DRAM1.F10 DRAM1.U3 DRAM1.U10 DRAM1.W1 DRAM1.W5 DRAM1.W8 DRAM1.W12 PMIC1.D12 R1401.1 R2201.1 R2202.1 SOC1.F12 SOC1.F19 SOC1.G9 SOC1.G10 SOC1.G13 SOC1.G14 SOC1.G17 SOC1.G18 SOC1.G21 SOC1.G22
VREG_L4A_2P96V: C812.1 C1851.1 PMIC1.Y14 SOC1.AE17
VREG_L5A_1P232V: C813.1 C1905.1 C1906.1 C1907.1 C1908.1 C1909.1 C1922.1 C1923.1 C1924.1 C1934.1 PMIC1.P2 SOC1.AB10 SOC1.AB11 SOC1.F15 SOC1.N24 SOC1.P23 SOC1.R7 SOC1.T7
VREG_L6A_0P9V: C814.1 C1904.1 C1915.1 C1916.1 PMIC1.R1 SOC1.G15 SOC1.R25
VREG_L7A_0P664V: C815.1 C1845.1 C1846.1 C1847.1 C1848.1 PMIC1.N3 SOC1.J9 SOC1.J10 SOC1.J11
VREG_L8A_1P0V: C816.1 C1824.1 C1825.1 PMIC1.J5 SOC1.W16 SOC1.W17
VREG_L9A_1P0V: C817.1 C1826.1 C1827.1 C1828.1 PMIC1.L3(VREG_L9) SOC1.Y17
VREG_L10A_1P3V: C818.1 C1935.1 C2901.1 PMIC1.H6 SOC1.J7 SOC1.K7 U2901.15
VREG_L11A_1P0V: C819.1 PMIC1.M2 R3009.1 R3011.1
VREG_L12A_0P9V: C820.1 C1926.1 C1927.1 C1928.1 C1929.1 C1931.1 PMIC1.P4 SOC1.K24 SOC1.M25
VREG_L13A_1P8V: C821.1 C1701.1 C1844.1 C1911.1 C1912.1 C1913.1 C1917.1 C1918.1 C1919.1 C1920.1 C1921.1 C1930.1 C1932.1 C1939.1 C1940.1 C2907.1 PMIC1.W13 SOC1.AD10 SOC1.AD11 SOC1.AD13 SOC1.K8 SOC1.L25 SOC1.M24 SOC1.P15 SOC1.P19 SOC1.T25 SOC1.W14 SOC1.Y16 U2901.39
VREG_L14A_1P8V: C822.1 C2106.1 C2107.1 EMMC1.C6 EMMC1.M4 EMMC1.N4 EMMC1.P3 EMMC1.P5 PMIC1.Y12
VREG_L15A_1P8V: C504.1 C823.1 C824.1 C1101.1 C1103.1 C1829.1 C1833.1 C1834.1 C1835.1 C1836.1 C1837.1 C1838.1 C1839.1 C1840.1 C1841.1 C1842.1 C2217.1 C2218.1 C2219.1 C2220.1 C2514.1 C2515.1 C2516.1 C2609.1 C2623.1 C2624.1 C2909.1 D26003.2 D26099.2 DRAM1.F1 DRAM1.F12 DRAM1.G4 DRAM1.G9 DRAM1.T4 DRAM1.T9 DRAM1.U1 DRAM1.U12 JCTL1.9 JMISC1.57 MCU1.A6 MCU1.H12 PMIC1.B22 PMIC1.V8 R1101.1 R1102.1 R1303.1 R1305.1 R1307.1 R1309.1 R1311.1 R1313.1 R1315.1 R1317.1 R1319.1 R2114.1 R2605.2 R2606.2 R2609.2 R2610.2 R3010.1 R3012.1 SOC1.AA7 SOC1.AC17 SOC1.AC18 SOC1.AC23 SOC1.AD18 SOC1.AF17 SOC1.F11 SOC1.F20 SOC1.G24 SOC1.G26 SOC1.M6 SOC1.N19 SOC1.T26 TP2610.1(TP) U1101.1 U1102.1 U2901.17
VREG_L16A_1P8V: C825.1 PMIC1.Y10
VREG_L17A_3P0V: C826.1 PMIC1.Y16
VREG_L18A_1P8V: C827.1 PMIC1.Y22
VREG_L19A_1P8V: C828.1 PMIC1.Y20
VREG_L20A_2P96V: C829.1 C2103.1 C2104.1 C2105.1 EMMC1.E6 EMMC1.F5 EMMC1.J10 EMMC1.K9 PMIC1.V16
VREG_L21A_2P96V: C830.1 C1933.1 PMIC1.U13 SOC1.M23
VREG_L22A_3P3V: C831.1 C832.1 C2911.1 C2912.1 PMIC1.V18 U2901.35 U2901.36
VREG_RFCLK: C706.1 PMIC1.V6
VREG_RFCLK2: C705.1 PMIC1.T6
VREG_S1A_0P8V: C1705.1 C1706.1 C1707.1 C1708.1 C1709.1 C1710.1 C1711.1 C1712.1 C1713.1 C1714.1 C1715.1 C1716.1 C1717.1 C1718.1 C1719.1 C1720.1 C1721.1 C1722.1 C1723.1 C1724.1 C1725.1 L1001.2 SOC1.AA21 SOC1.AA22 SOC1.AA23 SOC1.AA24 SOC1.AA25 SOC1.AA26 SOC1.R20 SOC1.R22 SOC1.U19 SOC1.U20 SOC1.U21 SOC1.U23 SOC1.W18 SOC1.W19 SOC1.W20 SOC1.W21 SOC1.Y18 SOC1.Y19 SOC1.Y20 SOC1.Y21 SOC1.Y22 SOC1.Y23 SOC1.Y24
VREG_S2A_0P8V: C1801.1 C1802.1 C1803.1 C1804.1 C1805.1 C1806.1 C1807.1 C1808.1 C1809.1 C1810.1 C1811.1 C1812.1 C1813.1 C1814.1 C1815.1 C1816.1 C1817.1 C1818.1 C1819.1 C1820.1 C1821.1 C1822.1 C1823.1 L1002.2 SOC1.K11 SOC1.K12 SOC1.K13 SOC1.K14 SOC1.K15 SOC1.K16 SOC1.K17 SOC1.K18 SOC1.K22 SOC1.M19 SOC1.N9 SOC1.N11 SOC1.N13 SOC1.N15 SOC1.N17 SOC1.R9 SOC1.R10 SOC1.R11 SOC1.R12 SOC1.R13 SOC1.R15 SOC1.R16 SOC1.R17 SOC1.T10 SOC1.T19 SOC1.Y8 SOC1.Y9 SOC1.Y10 SOC1.Y11 SOC1.Y12 SOC1.Y13
VREG_S3A_1P352V: C801.1 C802.1 C803.1 C804.1 C1005.1 C1006.1 C1007.1 C1008.1 L1003.2 PMIC1.A15 PMIC1.E11 PMIC1.G5 PMIC1.K4 PMIC1.N5
VREG_S4A_2P04V: C505.1 C506.1 C805.1 C1009.1 C1010.1 C1011.1 C1012.1 L1004.2 PMIC1.A23 PMIC1.G27 PMIC1.J25 PMIC1.U7 PMIC1.V10 PMIC1.V12
VREG_XO: C704.1 PMIC1.U5
VRG_CHG: C610.1 PMIC1.T22
VSNS_S1A_APC_M: PMIC1.E15
VSNS_S1A_APC_P: PMIC1.F16
VSNS_S2A_CX_M: PMIC1.G15
VSNS_S2A_CX_P: PMIC1.F14
VSW_CHG: C609.2 L601.1 PMIC1.W25 PMIC1.Y26
VSW_S1: L1001.1 PMIC1.B18 PMIC1.C17
VSW_S2: L1002.1 PMIC1.B12 PMIC1.C13
VSW_S3: L1003.1 PMIC1.A1 PMIC1.B2
VSW_S4: L1004.1 PMIC1.F2 PMIC1.G3
WCN_RFCLK2: C707.1 R701.1 R2905.1
WCN_RFCLK2_R: R2905.2 U2901.13
WCN_SW_CTRL: SOC1.J1 U2901.5
WL_CLK_OUT: TP2901.1(TP) U2901.21(WL_CLK_OUT)
WL_CMD_CLK: SOC1.K4 U2901.37
WL_CMD_DATA: SOC1.L4 U2901.38
WLAN0_DAC_RSET: R1602.2 SOC1.G2
WLAN_BT_COEX_CLK: SOC1.L5 U2901.18
WLAN_BT_COEX_DATA: SOC1.M5 U2901.19
WLAN_RX_I_M: C1602.1 SOC1.A3 U2901.32
WLAN_RX_I_P: C1601.1 SOC1.A2 U2901.33
WLAN_RX_Q_M: C1604.1 SOC1.B1 U2901.23
WLAN_RX_Q_P: C1603.1 SOC1.C1 U2901.24
WLAN_TX_I_M: C2921.1 SOC1.H4 U2901.29
WLAN_TX_I_P: C2922.1 SOC1.G4 U2901.30
WLAN_TX_Q_M: C2924.1 SOC1.G3 U2901.26
WLAN_TX_Q_P: C2923.1 SOC1.H3 U2901.27
WLAN_XO_CLK: C720.2 C721.1 SOC1.K3(WLAN_XO_CLK)
XO_THERM: C703.1 PMIC1.R7 Y701.4
XOADC_GND: C703.2 PMIC1.P8 Y701.2
N20480751: PMIC1.M24 R607.2
N20518421: C1106.1 R1102.2 U1102.5
N20519216: C1105.1 R1101.2 U1101.12

Pads without a net: DRAM1 A1 A2 A11 A12 AA1 AA12 AB1 AB2 AB11 AB12 B1 B12 G11 K5 K8 N5 N8; EMMC1 A1 A2 A7 A8 A9 A10 A11 A12 A13 A14 B1 B7 B8 B9 B10 B11 B12 B13 B14 C1 C3 C5 C7 C8 C9 C10 C11 C12 C13 C14 D1 D2 D3 D4 D12 D13 D14 E1 E2 E3 E5 E8 E9 E10 E12 E13 E14 F1 F2 F3 F10 F12 F13 F14 G1 G2 G3 G10 G12 G13 G14 H1 H2 H3 H12 H13 H14 J1 J2 J3 J12 J13 J14 K1 K2 K3 K6 K7 K10 K12 K13 K14 L1 L2 L3 L12 L13 L14 M1 M2 M3 M7 M8 M9 M10 M11 M12 M13 M14 N1 N3 N6 N7 N8 N9 N10 N11 N12 N13 N14 P1 P2 P7 P8 P9 P10 P11 P12 P13 P14; MCU1 A5 A9 A12 B7 B9 B12 C4 C8 C9 D4 D7 D8 D10 D11 D12 E3 E7 E8 E9 E10 E11 F8 F9 F10 G11 H5 H7 H8 H11 J6 J7 J8 J10 J11 K6 K8 K11 K13 L4 L8 L10 M1 M4 M6 M8 M9 M10 M13 N8 N9; PMIC1 A7 B6 B8 E7 E9 F4 F6 F8 G7 G11 G25 H8 H22 J23 K22 M22 N21 N23 R15; QWIIC1 5 6; SOC1 A1 A15 A30 AA1 AA2 AA3 AA4 AA5 AB1 AB4 AB5 AB27 AC5 AC25 AC26 AD1 AE3 AE4 AE5 AE6 AE13 AE14 AE21 AE23 AE24 AE25 AE26 AE27 AE28 AF2 AF6 AF13 AF14 AF21 AF23 AF24 AF25 AF26 AF27 AF28 AG6 AG21 AG25 AG27 AH5 AH7 AH11 AH12 AH13 AH15 AH16 AH17 AH20 AH21 AH24 AH25 AH28 AH29 AJ1 AJ4 AJ5 AJ8 AJ10 AJ11 AJ13 AJ14 AJ25 AJ28 AJ30 B15 C15 C16 D15 D30 E29 F16 F17 F28 G16 G25 J24 K2 L26 M3 U7 W1 W2 W3 W4 W28 Y2 Y3; U2501 1; U2604 3 4 5; U2803 5; U3001 G2 G3 G4 G5 G6 H2 H3; U3004 4

## Via types
v1: diameter 0.2, hole 0.1, TOP to G2, 2859 vias
v2: diameter 0.2, hole 0.1, G2 to S3, 2360 vias
v3: diameter 0.35, hole 0.2, S3 to S6, 849 vias
v4: diameter 0.2, hole 0.1, S6 to G7, 1423 vias
v5: diameter 0.2, hole 0.1, G7 to BOTTOM, 2091 vias
v6: diameter 0.406, hole 0.203, TOP to BOTTOM, 224 vias
